# Altium PCB 电解模块主控板_V1.1_ZM_20210918.PcbDoc (part 2 of 2)
Units mil, origin at the board's own origin, x right, y up, seen from the top; angles counter-clockwise.
Board outline 5915.54 x 3947.37 mil, 2 copper layers (Top Layer, Bottom Layer); 205 components, 153 nets, 686 pads, 1093 vias.
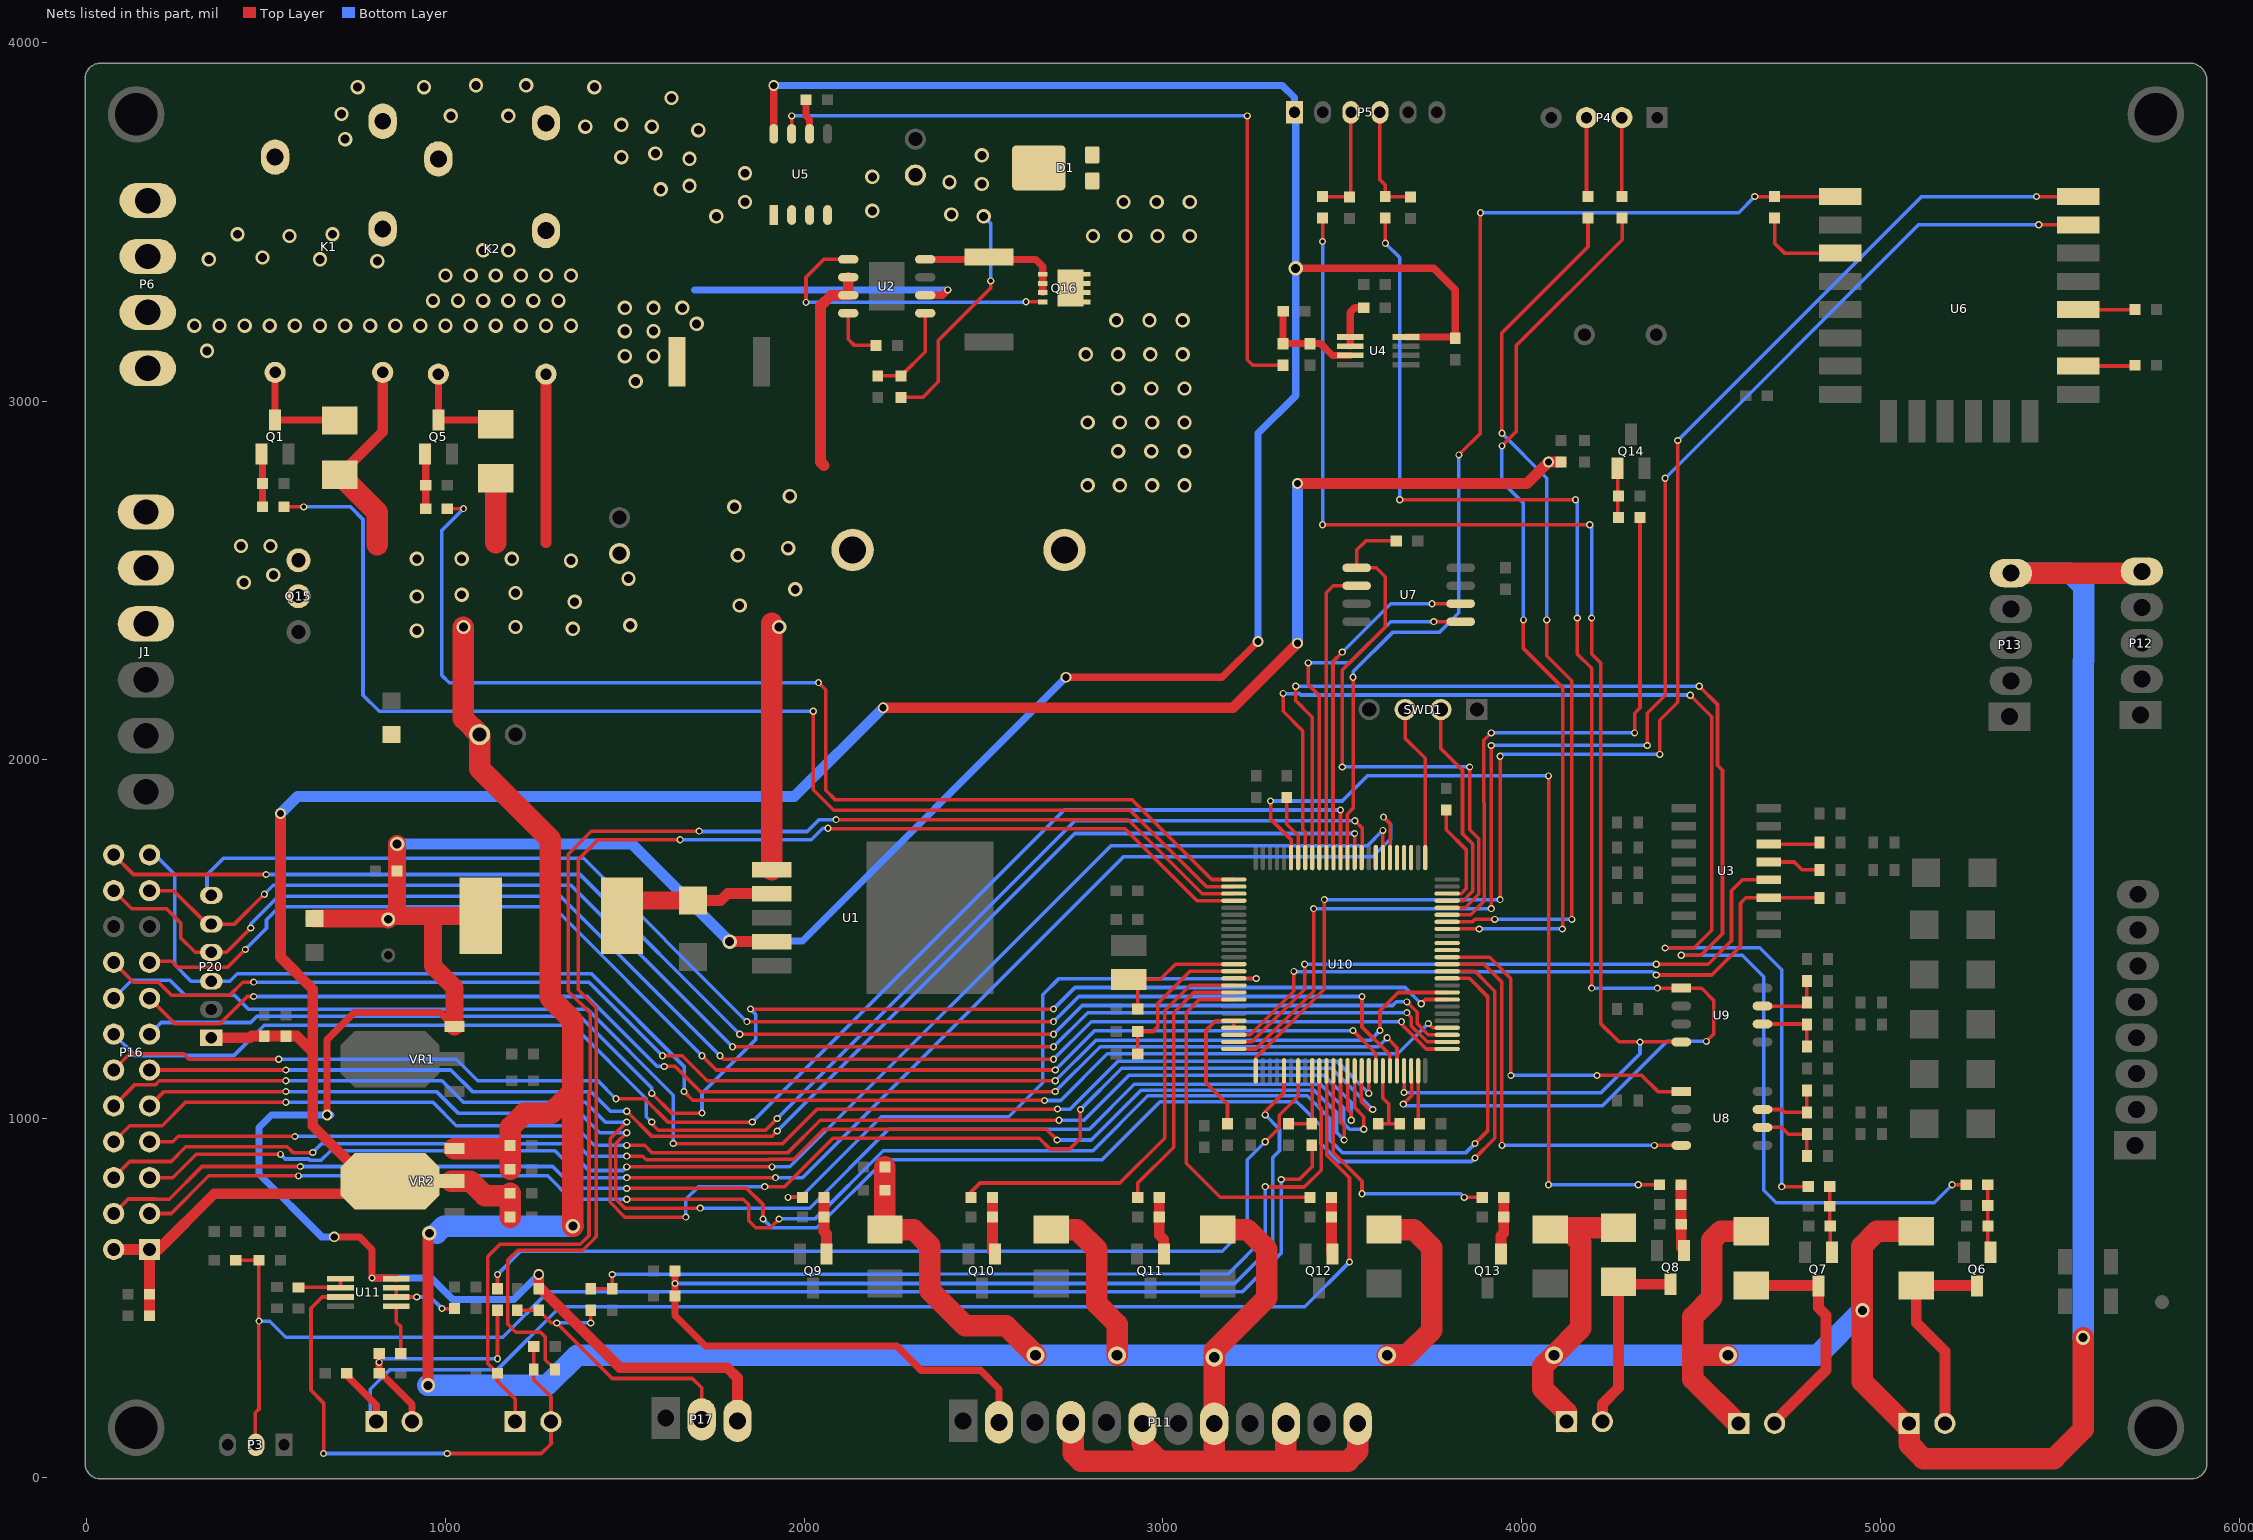
[diagram p2: the nets of this part, all layers, seen from the top]

## Via types
v1: diameter 40, hole 25, Top Layer to Bottom Layer, tented both sides, 833 vias
v2: diameter 20, hole 12, Top Layer to Bottom Layer, tented both sides, 240 vias
v3: diameter 30, hole 20, Top Layer to Bottom Layer, tented both sides, 14 vias
v4: diameter 50, hole 30, Top Layer to Bottom Layer, tented both sides, 6 vias

## Nets (pads, with @x,y where several pads share a name; then routed paths per layer and width w, separated by ;. In a path a pad name is that pad's centre, name@x,y a point inside that pad or via, vN(x,y) a via of type N, cw(c..) or ccw(c..) an arc to the next point about the centre after c; other vN are vias at no path point) (continued)
NetC37_2: C37.2 R7.2 U10.44 | length 214.8
  Top Layer w10: R7.2@3600,985 3630,985 ; U10.44@3613.11,1132.76 3613.11,1056.89 3630,1040 3630,985 ; C37.2@3660,985 3630,985
NetC38_2: C38.2 R8.2 U10.34 | length 213.3
  Top Layer w10: C38.2@3350,985 R8.2@3415,985 3416.26,986.26 U10.34@3416.26,1132.76
NetC39_2: C39.2 U10.49 | length 149.2
  Top Layer w10: U10.49@3711.54,1132.76 3711.54,988.46 C39.2@3715,985
NetC40_2: C40.2 R78.1 U10.14 | length 437.8
  Top Layer w10: R78.1@2930,1180 C40.2@2930,1242.5 2972.5,1242.5 2985,1255 2985,1320 3075.31,1410.32 U10.14@3197.76,1410.32
NetC42_1: C42.1 U5.6 | length 99.1
  Top Layer w20: C42.1@2005,3840 2005,3795 2015,3785 U5.6@2015,3745
NetC44_1: C44.1 R17.2 R30.1 U4.3 | length 290.8
  Top Layer w20: R17.2@3335,3250 R30.1@3335,3160 C44.1@3410,3160 3440,3160 3472.8,3127.2 U4.3@3522.24,3127.2
NetC45_2: C45.2 U10.73 | length 301
  Top Layer w10: C45.2@3790,1860 3790,1805 3845,1750 3845,1640 3831.85,1626.85 U10.73@3792.24,1626.85
NetC46_2: C46.2 P11.2 R48.1 U10.30 | length 3447.7
  Top Layer w10: v2(3285,1010) 3285,1019.63 3337.52,1072.15 U10.30@3337.52,1132.76
  Top Layer w20: R48.1@1640,575 v2(1640,540) C46.2@1640,505 1640,451 1725,366 2258,366 2282.5,341.5 2291.65,332.35 2326,298 2491,298 2543,246 P11.2@2543,153.06
  Bottom Layer w10: v2(1640,540) 3200,540 3306,646 3306,891 3325,910 3325,970 v2(3285,1010)
NetC50_1: C50.1 U10.13 Y1.1 | length 403.4
  Top Layer w10: C50.1@2930,1305 2930,1362.76 Y1.1@2905,1387.76 2992.76,1387.76 3035,1430 U10.13@3197.76,1430
NetD1_1: D1.1 L2.2 Q16.2
  other v1: 2790,2765 2880,2765 2970,2765 3060,2765 2875,2860 2967.5,2860 3060,2860 2790,2940 2880,2940 2970,2940 3060,2940 2875,3035 2967.5,3035 3060,3035 2785,3130 2875,3130 2965,3130 3055,3130 2870,3225 2962.5,3225 3055,3225 2805,3460 2895,3460 2985,3460 3075,3460 2890,3555 2982.5,3555 3075,3555
NetD3_2: D3.2 L1.1 U1.2 | length 443.8
  Top Layer w30: L1.1@1491.85,1565 L1.1@1534.33,1607.48 ; D3.2@1690,1607.48 1767.48,1607.48 1786.93,1626.93 U1.2@1910,1626.93
  Top Layer w50: L1.1@1534.33,1607.48 D3.2@1690,1607.48
NetD4_1: D4.1 K1.4 Q1.3 | length 313.5
  Top Layer w20: K1.4@525,3080 Q1.3@525,2947.24 703.15,2947.24 D4.1@705,2945.39
NetD5_1: D5.1 K2.4 Q5.3 | length 292.7
  Top Layer w20: K2.4@980,3075 Q5.3@980,2947.24 1128.15,2947.24 D5.1@1140,2935.39
NetD6_1: D6.1 P8.2 Q6.3 | length 588.5
  Top Layer w30: P8.2@5180,150 5180,351 5100,431 D6.1@5100,534.61 5268.15,534.61 Q6.3@5270,532.76
NetD7_1: D7.1 P9.2 Q7.3 | length 719.4
  Top Layer w30: D7.1@4640,534.61 4825.65,534.61 Q7.3@4827.5,532.76 4827.5,472.5 4848.75,451.25 4848.75,420 ; P9.2@4705,150 4705,155 4848.75,298.75 4848.75,420 ; 4848.75,340 4848.75,420
NetD8_1: D8.1 P10.2 Q8.3 | length 556.1
  Top Layer w30: P10.2@4225,155 4225,204 4270,249 D8.1@4270,544.61 4276.85,537.76 Q8.3@4415,537.76
NetJ1_4: J1.4 J1.5 J1.6 Q15.3
  other v1: 438,2494 520,2515 430,2596 512,2596
NetK1_1: K1.1 P6.3 P6.4
  other v1: 810,3390 340,3395 650,3395 490,3400 565,3460 420,3465 685,3465
NetK2_1: K2.1 P6.1 P6.2
  other v1: 335,3140 300,3210 370,3210 440,3210 510,3210 580,3210 650,3210 720,3210 790,3210 860,3210 930,3210 1000,3210 1070,3210 1140,3210 1210,3210 1280,3210 1350,3210 965,3280 1035,3280 1105,3280 1175,3280 1245,3280 1315,3280 1000,3350 1070,3350 1140,3350 1210,3350 1280,3350 1350,3350 1105,3420 1175,3420
NetL3_2: L3.2 U10.21 U10.22 | length 393.7
  Top Layer w10: L3.2@3180,985 3180,1040 3120,1100 3120,1245 3147.52,1272.52 U10.21@3197.76,1272.52 U10.22@3197.76,1252.83
NetP1_1: P1.1 TVS5.2 U10.36 | length 3697.5
  Top Layer w10: U10.36@3455.63,1132.76 3457,1131.39 3457,898 3520,835 v2(3520,600)
  Top Layer w20: TVS5.2@725,290 725,283 807,201 P1.1@807,155
  Bottom Layer w10: P1.1@785,155 790,160 790,245 845,300 1145,300 1320,475 3395,475 v2(3520,600)
NetP1_2: P1.2 R14.2 R16.1 TVS6.2 | length 700.2
  Top Layer w10: v2(1145,330) R14.2@1145,465
  Top Layer w20: R16.1@815,345 v2(815,320) TVS6.2@815,290 820,290 907,203 P1.2@907,155
  Bottom Layer w10: v2(815,320) 825,330 v2(1145,330)
NetP2_1: P2.1 TVS7.2 U10.3 | length 3870.6
  Top Layer w10: P2.1@1194,155 1194,218 1145,267 TVS7.2@1145,290 1118,317 1118,615 1152,649 1376,649 1400,673 1400,1073 1404,1077 1404,1293 1342,1355 1342,1737 1406,1801 v2(1707,1801) ; v2(2089,1833) 2903,1833 3109.15,1626.85 U10.3@3197.76,1626.85
  Bottom Layer w10: v2(1707,1801) 1708,1800 2008,1800 2041,1833 v2(2089,1833)
NetP2_2: P2.2 R23.2 TVS12.2 U11.3 | length 1455.5
  Top Layer w10: v2(660,66) 660,207 625,242 625,471 656.2,502.2 U11.3@707.24,502.2 U11.3@705.04,500 ; v2(1005,66) 1254,66 1267,66 1296,95 1294,97 P2.2@1294,155 1294,223.94 1245.94,272 R23.2@1245.94,300 ; R23.2@1246,300 TVS12.2@1246,364
  Bottom Layer w10: v2(660,66) v2(1005,66)
NetP3_2: P3.2 R6.2 R8.1 TVS2.2 | length 3916.8
  Top Layer w10: TVS2.2@415,605 R6.2@480,605 479,604 479,326.16 480,325.16 480,190 470,180 470,91.26 P3.2@471.26,90 ; v2(3330,830) 3380,830 3416,866 3416,924 R8.1@3415,925
  Bottom Layer w10: v2(480,435) 510,435 555,390 1159.5,390 1287,517.5 3222.5,517.5 3330,625 v2(3330,830)
NetP4_2: P4.2 R11.1 | length 220.3
  Top Layer w10: P4.2@4279.21,3790 4279.21,3570.79 R11.1@4280,3570
NetP4_3: P4.3 R9.1 | length 221.7
  Top Layer w10: P4.3@4180.79,3790 4180.79,3574.21 R9.1@4185,3570
NetP5_3: P5.3 R10.1 TVS3.2 | length 312.8
  Top Layer w10: R10.1@3445,3570 3519,3570 TVS3.2@3520,3569 3524.04,3573.04 P5.3@3524.04,3804.75
NetP5_4: P5.4 R12.1 TVS4.2 | length 311.5
  Top Layer w10: P5.4@3604.75,3804.75 3604.75,3617.46 3619.21,3603 3619.21,3570.79 R12.1@3620,3570 3689,3570 TVS4.2@3690,3569
NetP16_3: P16.3 U10.61 | length 4646.5
  Top Layer w10: P16.3@175,735 235,735 340,840 v2(590,840) ; v2(1505,775) 1830,775 1845,760 1845,715 1865,695 1905,695 v2(1930,720) ; U10.61@3792.24,1390.63 3854.37,1390.63 3905,1340 3905,965 v2(3870,930)
  Bottom Layer w10: v2(590,840) 1285,840 1350,775 v2(1505,775) ; v2(1930,720) 2030,720 2220,910 2805,910 2958,1063 3402,1063 3465,1000 3465,940 3500,905 3845,905 v2(3870,930)
NetP16_4: P16.4 U10.62 | length 4835.8
  Top Layer w10: P16.4@75,735 115.53,775.53 191.79,775.53 192.31,775 230,775 321,866 v2(595.4,866) ; v2(1505,805) 1840,805 1885,760 v2(1885,720) ; U10.62@3792.24,1410.32 3869.69,1410.32 3925,1355 3925,945 v2(3870,890)
  Bottom Layer w10: v2(595.4,866) 1299,866 1360,805 v2(1505,805) ; v2(1885,720) 1910,695 2035,695 2225,885 2830,885 2992,1047 3373,1047 3391,1029 3440,980 3440,930 3490,880 3860,880 v2(3870,890)
NetP16_5: P16.5 U10.81 | length 4121.3
  Top Layer w10: P16.5@175,835 240,835 305,900 v2(540,900) ; v2(1505,835) v2(1920,835) ; v2(3615,1840) 3634.11,1820.89 3634.11,1728.56 U10.81@3632.8,1727.24
  Bottom Layer w10: v2(540,900) 553,887 618.3,887 621.3,884 654,884 680,910 1305,910 1380,835 v2(1505,835) ; v2@1915,835 v2(1920,835) 1995,835 2890,1730 3585,1730 3635,1780 3635,1820 v2(3615,1840)
NetP16_6: P16.6 U10.82 | length 4085.4
  Top Layer w10: P16.6@75,835 120,880 235,880 276,921 559,921 575,905 v2(630,905) ; v2(1505,865) v2(1910,865) ; U10.82@3613.11,1727.24 v2(3613.11,1803.11)
  Bottom Layer w10: v2(630,905) 655,930 1325,930 1400,855 1495,855 v2(1505,865) ; v2@1915,865 1960,865 2855,1760 3570,1760 v2(3613.11,1803.11)
NetP16_7: P16.7 U10.38 | length 3755
  Top Layer w10: P16.7@175,935 240,935 255,950 v2(580,950) ; v2(1505,895) 1550,895 1560,885 1900.3,885 1901.3,886 1971,886 2055,970 2675,970 v2(2705,940) ; U10.38@3495,1132.76 3495,990 3505,980 v2(3505,940)
  Bottom Layer w10: v2(580,950) 1345,950 1400,895 v2(1505,895) ; v2(2705,940) 2800,940 2939,1079 3421,1079 3485,1015 3485,960 v2(3505,940)
NetP16_8: P16.8 U10.39 | length 3865.7
  Top Layer w10: P16.8@75,935 120,980 210,980 275,1045 v2(555,1045) ; v2(1505,925) 1555,925 1575,905 1955,905 2045,995 v2(2710,995) ; U10.39@3514.69,1132.76 3514.69,1025.32 3525,1015 v2(3525,995)
  Bottom Layer w10: v2(555,1045) 965,1045 1030,980 1360,980 1415,925 v2(1505,925) ; v2(2710,995) 2780,995 2905,1120 3450,1120 3525,1045 v2(3525,995)
NetP16_9: P16.9 U10.40 | length 4080.5
  Top Layer w10: P16.9@175,1035 215,1075 v2(555,1075) ; v2(1505,960) 1475,930 1475,775.3 1500.3,750 v2(1710,750) ; U10.40@3534.37,1132.76 3534.37,1030.63 3560,1005 v2(3560,970)
  Bottom Layer w10: v2(555,1075) 975,1075 1035,1015 1375,1015 1430,960 v2(1505,960) ; v2(1710,750) 2015,750 2235,970 2795,970 2920,1095 3439,1095 3504,1030 3504,986.3 3520.3,970 v2(3560,970)
NetP16_10: P16.10 U10.41 | length 4340.7
  Top Layer w10: P16.10@75,1035 134.47,1094.47 191.79,1094.47 202.31,1105 v2(555,1105) ; v2(1505,990) 1459,944 1459,766 1500,725 v2(1670,725) ; v2(1890,810) 1945,810 2080,945 2655,945 2685,915 2740,915 2770,945 v2(2770,1025) ; U10.41@3554.06,1132.76 3552.74,1131.44 3552.74,1047.26 3575,1025 v2(3585,1025)
  Bottom Layer w10: v2(555,1105) 990,1105 1050,1045 1390,1045 1445,990 v2(1505,990) ; v2(1670,725) 1670,775 1705,810 v2(1890,810) ; v2(2770,1025) 2885,1140 3470,1140 v2(3585,1025)
NetP16_11: P16.11 U10.86 | length 3852
  Top Layer w10: P16.11@175,1135 v2(555,1135) ; v2(1505,1020) 1574,951 1911,951 v2(1925,965) ; U10.86@3534.37,1727.24 v2(3534.37,1794.37)
  Bottom Layer w10: v2(555,1135) 1015,1135 1075,1075 1405,1075 1460,1020 v2(1505,1020) ; v2(1925,965) 2754.37,1794.37 v2(3534.37,1794.37)
NetP16_12: P16.12 U10.88 | length 4010.5
  Top Layer w10: P16.12@75,1135 120,1180 270,1180 285,1165 v2(535,1165) ; v2(1475,1055) 1555,1055 1620,990 v2(1855,990) ; U10.88@3495,1727.24 v2(3495,1860)
  Bottom Layer w10: v2(535,1165) 1030,1165 1090,1105 1425,1105 v2(1475,1055) ; v2(1855,990) 2725,1860 v2(3495,1860)
NetP16_13: P16.13 U10.58 | length 4030.2
  Top Layer w10: v2(1575,1070) 1630,1015 v2(1715,1015) ; v2(1850,1305) v2(2695,1305) ; v2(3720,1320) 3731.57,1331.57 U10.58@3792.24,1331.57
  Bottom Layer w10: P16.13@175,1235 207.5,1267.5 457.03,1267.5 474,1284.47 524.47,1284.47 525,1285 1375,1285 1575,1085 v2(1575,1070) ; v2(1715,1015) 1715,1070 1865,1220 1865,1290 v2(1850,1305) ; v2(2695,1305) 2755,1365 3675,1365 v2(3720,1320)
NetP16_14: P16.14 U10.85 | length 4142
  Top Layer w10: v2(1575,990) 1575,985 1593,967 1892,967 v2(1925,1000) ; v2(3535,1830) 3555.37,1809.63 3555.37,1728.56 U10.85@3554.06,1727.24
  Bottom Layer w10: P16.14@75,1235 134.47,1175.53 410.53,1175.53 494.47,1259.47 1355.53,1259.47 1560,1055 1560,1005 v2(1575,990) ; v2(1925,1000) 2755,1830 v2(3535,1830)
NetP16_15: P16.15 U10.46 | length 3786.1
  Top Layer w10: P16.15@175,1335 245.63,1264.37 371.37,1264.37 447,1340 v2(465,1340) ; v2(1610,1145) 1640,1145 1710,1075 v2(2700,1075) ; v2(3625,1225) 3652.48,1197.52 U10.46@3652.48,1132.76
  Bottom Layer w10: v2(465,1340) 1395,1340 1590,1145 v2(1610,1145) ; v2(2700,1075) 2825,1200 3600,1200 v2(3625,1225)
NetP16_16: P16.16 U10.42 | length 3982.3
  Top Layer w10: v2(1635,930) 1940,930 2036.26,1026.26 v2(2706.26,1026.26) ; v2(3573.74,1070) U10.42@3573.74,1132.76
  Bottom Layer w10: P16.16@75,1335 125,1385 232.17,1385 274.17,1343 412,1343 450,1305 1395,1305 1635,1065 v2(1635,930) ; v2(2706.26,1026.26) 2741.26,1026.26 2875,1160 3483.74,1160 v2(3573.74,1070)
NetP16_17: P16.17 U10.43 | length 3819.1
  Top Layer w10: P16.17@175,1435 178,1438 237,1438 253,1422 393,1422 v2(442,1471) ; v2(1715,1175) 1755,1135 v2(2700,1135) ; v2(3530,1245) 3593.43,1181.57 U10.43@3593.43,1132.76
  Bottom Layer w10: v2(442,1471) 501,1530 501,1554 537,1590 1300,1590 v2(1715,1175) ; v2(2700,1135) 2810,1245 v2(3530,1245)
NetP16_18: P16.18 U10.59 | length 4018.8
  Top Layer w10: P16.18@75,1435 130,1380 200,1380 237,1343 398,1343 435,1380 v2(465,1380) ; v2(1605,1175) 1660,1175 1730,1105 v2(2700,1105) ; v2(3605,1245) 3605,1300 3656.26,1351.26 U10.59@3792.24,1351.26
  Bottom Layer w10: v2(465,1380) 1400,1380 v2(1605,1175) ; v2(2700,1105) 2812.5,1217.5 3577.5,1217.5 v2(3605,1245)
NetP16_21: P16.21 P20.5 U10.52 | length 3974.4
  Top Layer w10: P16.21@175,1635 241.93,1635 335,1541.93 411.93,1541.93 v2(495,1625) ; v2(1800,1200) v2(2695,1200) ; v2(3680,1295) 3692.5,1282.5 3692.5,1258.02 3737.06,1213.46 U10.52@3792.24,1213.46
  Bottom Layer w10: v2(495,1625) 520,1650 1350,1650 v2(1800,1200) ; v2(2695,1200) 2790,1295 v2(3680,1295)
NetP16_22: P16.22 P20.4 U10.51 | length 4151.2
  Top Layer w10: P16.22@75,1635 125,1585 222.17,1585 262.17,1545 262.17,1503 301.98,1463.19 P20.4@335,1463.19 ; P20.4@328.81,1463.19 P20.4@335,1463.19 ; v2(457,1531) 389.19,1463.19 P20.4@335,1463.19 ; v2(1765,1175) 1775,1165 v2(2695,1165) ; v2@3665,1262.89 3734.12,1193.78 U10.51@3792.24,1193.78
  Bottom Layer w10: v2(457,1531) 457,1542 535,1620 1320,1620 v2(1765,1175) ; v2(2695,1165) 2800,1270 v2(3665,1270)
NetP16_23: P16.23 P20.3 U10.54 | length 4199.2
  Top Layer w10: v2(1665,1075) 1689,1051 v2@2669,1051 ; v2(3740,1265) 3752.17,1252.83 U10.54@3792.24,1252.83
  Bottom Layer w10: P16.23@175,1735 190,1735 245,1680 245,1428.17 290.68,1382.48 335,1382.48 398.48,1382.48 419,1403 1407,1403 1665,1145 v2(1665,1075) ; v2(2670,1050) 2715,1050 2845,1180 3655,1180 v2(3740,1265)
NetP16_24: P16.24 U10.53 | length 4018.3
  Top Layer w10: P16.24@75,1735 130,1680 186,1680 v2(500,1680) ; v2(1820,1235) v2(2695,1235) ; v2(3680,1325) 3708.5,1296.5 3708.5,1264.65 3740,1233.15 U10.53@3792.24,1233.15
  Bottom Layer w10: v2(500,1680) 1375,1680 v2(1820,1235) ; v2(2695,1235) 2775,1315 3640,1315 3650,1325 v2(3680,1325)
NetP17_2: P17.2 R19.1 R50.2 TVS11.2 | length 821.4
  Top Layer w10: TVS11.2@1200,465 R50.2@1260,465 1295,430 v2(1310,430) 1465,275 1688,275 1714,249 P17.2@1714,161.06 ; v2(1405,430) R19.1@1405,465
  Bottom Layer w10: v2(1310,430) v2(1405,430)
NetP20_6: P20.6 U10.45 | length 3753.1
  Top Layer w10: v2(1840,1270) v2(2695,1270) ; v2(3555,1340) 3555,1255 3632.8,1177.2 U10.45@3632.8,1132.76
  Bottom Layer w10: P20.6@335,1621.86 335,1679 381,1725 1385,1725 v2(1840,1270) ; v2(2695,1270) 2765,1340 v2(3555,1340)
NetQ1_1: Q1.1 R20.2 R21.2 | length 148.8
  Top Layer w20: Q1.1@487.6,2852.76 490,2850.35 R21.2@490,2770 R20.2@490,2705
NetQ5_1: Q5.1 R27.2 R28.2 | length 153.8
  Top Layer w20: Q5.1@942.6,2852.76 945,2850.35 R28.2@945,2765 R27.2@945,2700
NetQ6_1: Q6.1 R31.1 R34.1 TVS8.2 | length 191.2
  Top Layer w10: R31.1@5299,815 R34.1@5299,757.5 5299,635.65 Q6.1@5307.4,627.24
NetQ7_1: Q7.1 R32.1 R35.1 TVS9.2 | length 185.2
  Top Layer w10: R32.1@4859,810 R35.1@4859,755 4859,701 TVS9.2@4860,700 4860,632.15 Q7.1@4864.9,627.24
NetQ8_1: Q8.1 R33.1 R36.1 TVS10.2 | length 186.2
  Top Layer w30: R33.1@4444,815 R36.1@4444,760 4444,706 TVS10.2@4445,705 4445,639.65 Q8.1@4452.4,632.24
NetQ9_1: Q9.1 R37.1 R42.1 | length 160.8
  Top Layer w30: R37.1@2055,780 R42.1@2055,725 2055,685 2062.4,677.6 Q9.1@2062.4,622.24
NetQ10_1: Q10.1 R38.1 R43.1 | length 160.8
  Top Layer w30: R38.1@2525,780 R43.1@2525,725 2525,629.65 Q10.1@2532.4,622.24
NetQ11_1: Q11.1 R39.1 R44.1 | length 162.9
  Top Layer w30: R39.1@2990,780 R44.1@2990,725 2990,675 3002.4,662.6 Q11.1@3002.4,622.24
NetQ12_1: Q12.1 R40.1 R45.1 | length 158.8
  Top Layer w30: R40.1@3470,780 R45.1@3470,725 3470,624.65 Q12.1@3472.4,622.24
NetQ13_1: Q13.1 R41.1 R46.1 | length 160.9
  Top Layer w30: Q13.1@3942.4,622.24 3942.4,672.4 3950,680 R46.1@3950,725 R41.1@3950,780
NetQ14_1: Q14.1 R57.2 R59.1 | length 138.8
  Top Layer w10: Q14.1@4267.6,2812.76 4267.6,2677.4 R57.2@4270,2675
NetQ16_1: Q16.1 U2.1 | length 869.1
  Top Layer w10: v2(2005,3275) 2005,3345 2055,3395 U2.1@2122.72,3395 ; v2(2618.39,3276.61) Q16.1@2664.96,3276.61
  Bottom Layer w10: v2(2005,3275) 2616.77,3275 v2(2618.39,3276.61)
NetQ16_3: Q16.3 R4.1 U2.8 | length 408.8
  Top Layer w20: U2.8@2337.28,3395 2645,3395 2664.96,3375.04 Q16.3@2664.96,3353.39 Q16.3@2664.96,3327.8 Q16.3@2664.96,3302.2
NetR2_2: R2.2 R13.1 U2.5 | length 267.9
  Top Layer w10: R13.1@2205,3070 R2.2@2270,3070 2337.28,3137.28 U2.5@2337.28,3245
NetR3_1: R3.1 U2.4 | length 157.2
  Top Layer w10: U2.4@2122.72,3245 2122.72,3172.28 2140,3155 R3.1@2200,3155
NetR9_2: R9.2 U10.69 | length 2485.8
  Top Layer w10: U10.69@3792.24,1548.11 3863.11,1548.11 3870,1555 v2(3925,1555) ; v2(3945,2910) 3945,3190 4185,3430 R9.2@4185,3510 ; v2(4070,2390) 4070,2290 4140,2220 v2(4140,1555)
  Bottom Layer w10: v2(3925,1555) v2(4140,1555) ; v2(3945,2910) 4070,2785 v2(4070,2390)
NetR11_2: R11.2 U10.68 | length 2512.6
  Top Layer w10: U10.68@3792.24,1528.43 v2(3881.57,1528.43) ; v2(3945,2875) 3985,2915 3985,3155 4280,3450 R11.2@4280,3510 ; v2(4005,2390) 4005,2310 4115,2200 4115,1530 v2(4113.43,1528.43)
  Bottom Layer w10: v2(3881.57,1528.43) v2(4113.43,1528.43) ; v2(3945,2875) 3945,2775 4005,2715 v2(4005,2390)
NetR14_1: R14.1 U10.32 | length 2677.4
  Top Layer w10: R14.1@1145,525 v2(1145,565) ; v2(3285,935) 3324,974 3324,1009 3376.89,1061.89 U10.32@3376.89,1132.76
  Bottom Layer w10: v2(1145,565) 1210,630 3165,630 3235,700 3235,885 v2(3285,935)
NetR16_2: R16.2 U11.5 | length 136.7
  Top Layer w10: U11.5@862.76,476.61 862.76,432.24 875,420 R16.2@875,345
NetR18_2: R18.2 U11.6 U11.7 | length 201.2
  Top Layer w10: U11.7@862.76,527.8 U11.6@862.76,502.2 v2(920,502.2) ; v2(990,470) R18.2@1025,470
  Bottom Layer w10: v2(920,502.2) 957.8,502.2 v2(990,470)
NetR19_2: R19.2 R22.2 U10.35 | length 2552.2
  Top Layer w10: R19.2@1405,525 R22.2@1465,525 v2(1465,565) ; v2(3285,810) 3286,809 3394,809 3441,856 3441,1029 3435.94,1034.06 U10.35@3435.94,1132.76
  Bottom Layer w10: v2(1465,565) 3182.5,567.5 3285,670 v2@3285,805
NetR20_1: R20.1 U10.2 | length 3501.5
  Top Layer w10: R20.1@550,2705 v2(605,2705) ; v2(2025,2135) 2025,1916 2082,1859 2908,1859 3120.46,1646.54 U10.2@3197.76,1646.54
  Bottom Layer w10: v2(605,2705) 735,2705 770,2670 770,2180 815,2135 v2(2025,2135)
NetR23_1: R23.1 U10.4 | length 3693.1
  Top Layer w10: R23.1@1305,300 1278,327 1278,391 1265,404 1196,404 1174,426 1174,606 1201,633 1382.63,633 1416,666.37 1416,667 1420,671 1420,1309 1370,1359 1370,1722 1425,1777 v2(1654,1777) ; v2(2066,1809) 2067,1808 2894,1808 3094.83,1607.17 U10.4@3197.76,1607.17
  Bottom Layer w10: v2(1654,1777) 2020,1777 2052,1809 v2(2066,1809)
NetR24_2: R24.2 U11.1 U11.2 | length 143.4
  Top Layer w10: R24.2@590,529.06 705.98,529.06 U11.2@707.24,527.8 U11.1@707.24,553.39
NetR27_1: R27.1 U10.1 | length 3142.2
  Top Layer w10: R27.1@1005,2700 v2(1050,2700) ; v2(2040,2215) 2060,2195 2060,1915 2087,1888 2914,1888 3135.78,1666.22 U10.1@3197.76,1666.22
  Bottom Layer w10: v2(1050,2700) 990,2640 990,2235 1010,2215 v2(2040,2215)
NetR29_2: R29.2 U4.1 U4.2 | length 137.1
  Top Layer w20: U4.2@3522.24,3153.2 U4.1@3522.24,3178.39 3522.24,3247.24 3535,3260 R29.2@3560,3260
NetR30_2: R30.2 U5.7 | length 2106.2
  Top Layer w10: U5.7@1965,3745 v2(1965,3795) ; v2(3235,3795) 3235,3115 3250,3100 R30.2@3335,3100
  Bottom Layer w10: v2(1965,3795) v2(3235,3795)
NetR31_2: R31.2 U10.92 | length 3927.8
  Top Layer w10: v2(3370,2205) 3370,2165 3416.26,2118.74 U10.92@3416.26,1727.24 ; v2(4445,1455) 4500,1455 4560,1515 4560,1971 4546,1985 4546,2154 v2(4495,2205) ; v2(5200,815) R31.2@5239,815
  Bottom Layer w10: v2(3370,2205) v2(4495,2205) ; v2(4445,1455) 4615,1455 4675,1395 4675,800 4710,765 5150,765 v2(5200,815)
NetR32_2: R32.2 U10.93 | length 3481.4
  Top Layer w10: v2(3335,2185) 3335,2135 3390,2080 3390,1805 3396.57,1798.43 U10.93@3396.57,1727.24 ; v2(4400,1475) 4401,1476 4481,1476 4530,1525 4530,2120 v2(4470,2180) ; v2(4725,810) R32.2@4799,810
  Bottom Layer w10: v2(3335,2185) 3336,2184 3378.7,2184 3379.7,2185 3384.17,2180.53 4469.47,2180.53 v2(4470,2180) ; v2(4400,1475) 4401,1476 4664,1476 4725,1415 v2(4725,810)
NetR33_2: R33.2 U10.95 | length 2434.4
  Top Layer w10: v2(3300,1885) 3300,1835 3357.2,1777.8 U10.95@3357.2,1727.24 ; v2(4075,815) v2(4075,1955) ; v2(4325,815) R33.2@4384,815
  Bottom Layer w10: v2(3300,1885) 3500,1885 3570,1955 v2(4075,1955) ; v2(4075,815) v2(4325,815)
NetR37_2: R37.2 U10.15 | length 1803.4
  Top Layer w10: v2(1955,780) R37.2@1995,780 ; U10.15@3197.76,1390.63 v2@3260,1390.63
  Bottom Layer w10: v2(1955,780) 1990,780 2215,1005 2570,1005 2665,1100 2665,1345 2710,1390 v2(3260,1390)
NetR38_2: R38.2 U10.16 | length 1194.3
  Top Layer w10: R38.2@2465,780 2465,795 2490,820 2880,820 3005,945 3005,1300 3075.94,1370.94 U10.16@3197.76,1370.94
NetR39_2: R39.2 U10.17 | length 747.5
  Top Layer w10: R39.2@2930,780 2930,820 3030,920 3030,1295 3086.26,1351.26 U10.17@3197.76,1351.26
NetR40_2: R40.2 U10.18 | length 952.3
  Top Layer w10: U10.18@3197.76,1331.57 3101.57,1331.57 3065,1295 3065,875 3160,780 R40.2@3410,780
NetR41_2: R41.2 U10.37 | length 714.9
  Top Layer w10: U10.37@3475.31,1132.76 3475.31,904.68 3555,825 v2(3555,790) ; v2(3840,780) R41.2@3890,780
  Bottom Layer w10: v2(3555,790) 3830,790 v2(3840,780)
NetR47_1: R47.1 U3.14 | length 143.5
  Top Layer w10: U3.14@4688.61,1765 4825,1765 R47.1@4830,1770
NetR53_1: R53.1 U6.1 U10.87 | length 3050
  Top Layer w10: U10.87@3514.69,1727.24 3513.37,1728.56 3513.37,1848.37 3530,1865 v2(3530,2230) ; v2(3825,2850) 3885,2910 v2(3885,3525) ; v2(4650,3570) R53.1@4705,3570 U6.1@4888,3570
  Bottom Layer w10: v2(3530,2230) 3530,2245 3640,2355 3770,2355 3825,2410 v2(3825,2850) ; v2(3885,3525) 4605,3525 v2(4650,3570)
NetR53_2: R53.2 U6.3 | length 264.4
  Top Layer w10: R53.2@4705,3510 4705,3440 4732.48,3412.52 U6.3@4888,3412.52
NetR54_2: R54.2 U6.18 | length 158
  Top Layer w10: U6.18@5552,3255.04 R54.2@5710,3255 R54.2@5710,3255
NetR55_1: R55.1 U6.16 | length 159
  Top Layer w10: U6.16@5552,3097.56 5707.56,3097.56 R55.1@5710,3100
NetR57_1: R57.1 U10.70 | length 1604.3
  Top Layer w10: U10.70@3792.24,1567.8 3857.8,1567.8 3896,1606 3896,1880 3894,1882 3894,2054 v2(3915,2075) ; v2(4315,2075) 4315,2130 4330,2145 R57.1@4330,2675
  Bottom Layer w10: v2(3915,2075) v2(4315,2075)
NetR60_1: R60.1 U3.13 | length 150.4
  Top Layer w10: U3.13@4688.61,1715 4760,1715 4781.67,1693.33 R60.1@4830,1693.33
NetR61_1: R61.1 R69.1 U8.6 | length 192.6
  Top Layer w10: U8.6@4671.38,975 4725,975 4743.89,956.11 R69.1@4795,956.11 R61.1@4795,895
NetR62_1: R62.1 R70.1 U8.7 | length 188
  Top Layer w10: U8.7@4671.38,1025 4725,1025 4732.78,1017.22 R62.1@4795,1017.22 R70.1@4795,1078.33
NetR68_2: R68.2 U7.1 U10.71 | length 1664.1
  Top Layer w10: v2(3500,1980) 3500,2250 3620,2370 3620,2510 3595,2535 U7.1@3540,2535 3540,2585 3565,2610 R68.2@3650,2610 ; U10.71@3792.24,1587.48 3842.48,1587.48 3880,1625 3880,1780 3855,1805 v2(3855,1980)
  Bottom Layer w10: v2(3500,1980) v2(3855,1980)
NetR73_1: R73.1 R75.1 U9.6 | length 185.4
  Top Layer w10: U9.6@4671.38,1263.34 4793.32,1263.34 R75.1@4795,1261.67 R73.1@4795,1200.56
NetR74_1: R74.1 R76.1 U9.7 | length 188.6
  Top Layer w10: U9.7@4671.38,1313.34 4785.57,1313.34 R74.1@4795,1322.78 R76.1@4795,1383.89
NetR79_2: R79.2 U10.94 | length 181
  Top Layer w10: R79.2@3345,1895 3345,1820 3376.89,1788.11 U10.94@3376.89,1727.24
NetU6_21: U6.21 U10.25 | length 4114.3
  Top Layer w10: U10.25@3197.76,1193.78 3258.78,1193.78 3420,1355 v2(3420,1585) ; v2(3915,1585) v2(3915,2040) ; v2(4350,2040) 4350,2130 4400,2180 v2(4400,2785) ; v2(5441.26,3491.26) U6.21@5552,3491.26
  Bottom Layer w10: v2(3420,1585) v2(3915,1585) ; v2(3915,2040) v2(4350,2040) ; v2(4400,2785) 5106.26,3491.26 v2(5441.26,3491.26)
NetU6_22: U6.22 U10.26 | length 4188.3
  Top Layer w10: U10.26@3258.78,1132.76 3258.78,1169.45 3284.52,1195.19 3285.19,1195.19 3450,1360 v2(3450,1610) ; v2(3940,1610) v2(3940,2010) ; v2(4385,2015) 4385,2110 4435,2160 v2(4435,2890) ; v2(5435,3570) U6.22@5552,3570
  Bottom Layer w10: v2(3450,1610) v2(3940,1610) ; v2(3940,2010) 3945,2015 v2(4385,2015) ; v2(4435,2890) 5115,3570 v2(5435,3570)
NetU7_2: U7.2 U10.90 | length 830.8
  Top Layer w10: U10.90@3455.63,1727.24 3455.63,2465.63 3475,2485 U7.2@3540,2485
NetU7_5: U7.5 U10.91 | length 1028.2
  Top Layer w10: v2(3405,2270) 3405,2210 3435.94,2179.06 U10.91@3435.94,1727.24 ; v2(3755,2385) U7.5@3830,2385
  Bottom Layer w10: v2(3405,2270) 3520,2270 3635,2385 v2(3755,2385)
NetU7_6: U7.6 U10.89 | length 970
  Top Layer w10: U10.89@3475.31,1727.24 3474,1728.56 3474,2274 v2(3500,2300) ; v2(3750,2435) U7.6@3830,2435
  Bottom Layer w10: v2(3500,2300) 3635,2435 v2(3750,2435)
NetU10_65: U10.65
NetU10_66: U10.66
NetU10_78: U10.78
NetU10_79: U10.79
NetU10_80: U10.80
NetU10_83: U10.83
RCS: K1.3 K2.3 R1.1 U2.6 | length 773.9
  Top Layer w20: U2.6@2337.28,3295 2385,3295 v2(2400,3310)
  Bottom Layer w20: 1695,3310 v2(2400,3310)
  other v1: 1530,3055 1500,3125 1580,3125 1500,3195 1580,3195 1700,3215 1500,3260 1580,3260 1660,3260
RXD1_485: U8.1 U10.64 | length 966.1
  Top Layer w10: U10.64@3792.24,1449.68 3792.93,1449 3911,1449 3970,1390 v2(3970,1120) ; v2(4210,1120) 4335,1120 4380,1075 U8.1@4445,1075
  Bottom Layer w10: v2(3970,1120) v2(4210,1120)
RXD2_485: R12.2 U9.1 U10.48 | length 4173.5
  Top Layer w10: v2(3620,3440) R12.2@3620,3510 ; v2(3660,2725) v2(4150,2725) ; v2(3670,1040) 3687.5,1057.5 3687.5,1057.8 3693.17,1063.47 3693.17,1131.44 U10.48@3691.85,1132.76 ; v2(4155,2395) 4155,2295 4195,2255 v2(4195,1363.34) ; v2(4378.34,1363.34) U9.1@4445,1363.34 4501.66,1363.34 4535,1330 4535,1235 v2(4515,1215)
  Bottom Layer w10: v2(3620,3440) 3660,3400 v2(3660,2725) ; v2(3670,1040) 3675,1035 4225,1035 4405,1215 v2(4515,1215) ; v2(4150,2725) 4155,2720 v2(4155,2395) ; v2(4195,1363.34) v2(4378.34,1363.34)
RXD_233: U3.12 U10.24 | length 1805.9
  Top Layer w10: U10.24@3197.76,1213.46 3248.46,1213.46 3395,1360 v2(3395,1430) ; v2(4375,1430) 4520,1430 4585,1495 4585,1635 4615,1665 U3.12@4688.61,1665
  Bottom Layer w10: v2(3395,1430) v2(4375,1430) v2@4380,1430
SWCLK: SWD1.3 U10.76 | length 436
  Top Layer w10: SWD1.3@3675,2140 3675,2060 3731.22,2003.78 U10.76@3731.22,1727.24
SWDIO: SWD1.2 U10.72 | length 625.7
  Top Layer w10: SWD1.2@3775,2140 3775,2030.3 3835,1970.3 3835,1794 3864,1765 3864,1634 3837.17,1607.17 U10.72@3792.24,1607.17
TXD1_485: U8.4 U10.63 | length 1128.5
  Top Layer w10: U10.63@3792.24,1430 3895,1430 3945,1380 v2(3945,925) ; v2(4370,925) U8.4@4445,925
  Bottom Layer w10: v2(3945,925) v2(4370,925)
TXD2_485: R10.2 U9.4 U10.47 | length 4045.3
  Top Layer w10: v2(3445,2655) v2(4190,2655) ; v2(3445,3445) R10.2@3445,3510 ; v2(3672.17,1072.17) U10.47@3672.17,1132.76 ; v2(4195,2395) 4195,2295 4220,2270 4220,1265 4271.66,1213.34 v2(4330,1213.34) U9.4@4445,1213.34
  Bottom Layer w10: v2(3445,2655) v2(3445,3445) ; v2(3672.17,1072.17) 4222.17,1072.17 4330,1180 v2(4330,1213.34) ; v2(4190,2655) 4195,2650 v2(4195,2395)
TXD_232: R15.2 U3.11 U10.23 | length 1901.2
  Top Layer w10: U10.23@3197.76,1233.15 3243.15,1233.15 3365,1355 v2(3365,1410) ; v2(4375,1400) 4530,1400 4610,1480 4610,1600 4625,1615 U3.11@4688.61,1615 R15.2@4830,1615
  Bottom Layer w10: v2(3365,1410) 3366,1409 4366,1409 v2(4375,1400)
V5.0: C14.2 C15.2 C16.2 C17.2 C19.2 C20.2 P16.1 P16.2 P20.1 R56.2 VR2.2 VR2.4 | length 7022.7
  Top Layer w30: P16.2@75,635 P16.1@175,635 ; C15.2@175,450 C14.2@175,510 P16.1@175,635 ; P20.1@335,1225 455,1225 460,1230 525,1230 585,1230 630,1185 ; v3(540,1850) 540,1450 630,1360 630,1185 ; v3(2220,2145) 3195,2145 v3(3375,2325) ; v3(3375,2770) 4015,2770 v3(4075,2830) R56.2@4110,2830 ; P16.1@175,635 200,635 355,790 810,790 VR2.4@845,825 785,825 630,980 630,1185
  Top Layer w60: VR2.2@1016.06,825.55 1069.45,825.55 1110,785 1173.33,785 C20.2@1180,791.67 C19.2@1180,725
  Bottom Layer w30: v3(540,1850) 587.5,1897.5 1972.5,1897.5 v3(2220,2145) ; v3(3375,2325) v3(3375,2770)
VDD5V: C2.1 C4.2 C13.2 C47.2 L1.2 P5.1 P17.3 R50.1 U1.4 U4.8 U5.8 U11.8 VR1.3 | length 10732.6
  Top Layer w20: v3(670,1010) 670,1220 745,1295 986.1,1295 VR1.3@1025,1256.1 ; v3(690,670) 760,670 795,635 v2(795,555) 861.14,555 U11.8@862.76,553.39 ; U5.8@1915,3745 v3(1915,3880) ; v3(2730,2230) 3165,2230 v3(3265,2330) ; v1(3370,3370) 3755,3370 3815,3310 C47.2@3815,3175 3811.61,3178.39 U4.8@3677.76,3178.39
  Top Layer w30: v3(1260,565) R50.1@1260,525 1266.16,525 1486.16,305 1785.17,305 1814,276.17 P17.3@1814,157.13 ; v1(1791.93,1493.07) U1.4@1910,1493.07
  Top Layer w50: C4.2@635,1557.24 837.76,1557.24 C2.1@840,1555 C2.1@850,1565 ; v1(865,1765) C13.2@865,1690 865,1580 C2.1@850,1565 ; VR1.3@1025,1256.1 1025,1365 965,1425 965,1565 ; L1.2@1098.15,1565 965,1565 ; C2.1@850,1565 965,1565
  Bottom Layer w20: v3@680,1010 v3(670,1010) 515,1010 480,975 480,845 655,670 v3(690,670) ; v2(795,555) 960,555 1020,495 1190,495 v3(1260,565) ; v1(1791.93,1493.07) 1793.86,1495 1995,1495 v3(2730,2230) ; v3(1915,3880) 3332.36,3880 3366.56,3845.8 P5.1@3366.56,3804.75 3370,3801.31 v1(3370,3370) 3370,3015 3265,2910 v3(3265,2330)
  Bottom Layer w30: v1(865,1765) 1520,1765 v1(1791.93,1493.07)
VDD12V: C1.1 C3.2 C8.2 C9.2 C11.1 C18.2 C21.2 D4.2 D5.2 D6.2 D7.2 D8.2 D9.2 D10.2 D11.2 D12.2 D13.2 K1.5 K2.5 L2.1 P8.1 P9.1 P10.1 P11.4 P11.6 P11.8 P11.10 P11.12 P12.5 P13.5 Q15.2 U1.1 U2.2 U2.3 VR2.3 | length 19455.2
  Top Layer w30: D4.2@705,2794.61 825,2914.61 K1.5@825,3080 ; v1(951,256) v1@951,676 ; 1280,2605 K2.5@1280,3075 ; 2055,2820 2045,2830 2045,3265 2075,3295 U2.3@2122.72,3295 U2.2@2122.72,3345
  Top Layer w60: D4.2@705,2794.61 810,2689.61 810,2600 ; VR2.3@1025,916.1 1171.1,916.1 C18.2@1180,925 ; v1(1050,2370) 1050,2115 C1.1@1095,2070 1095,1975 1292,1778 1292,1336 1355,1273 1355,1075 ; 1140,2605 D5.2@1140,2784.61 ; C21.2@1180,858.33 C18.2@1180,925 ; v1(1355,700) 1355,1075 ; U1.1@1910,1693.86 1910,2380 ; C8.2@2225,865 C9.2@2225,800 D9.2@2225,690.39 2304.61,690.39 2350,645 2350,521 2448.5,422.5 2562.5,422.5 v4(2645,340) ; D10.2@2688.75,690.39 2759.61,690.39 2815,635 2815,484 2872,427 v4(2872,340) ; P11.4@2743,153.06 2750,146.06 2750,66 2771,45 2991,45 ; P11.6@2943,149.13 2943,93 2991,45 ; v4@3143,353 P11.8@3143,149.13 3143,48 3146,45 ; v4(3143.03,334.03) 3143.03,353.03 3290,500 3290,635 3234.61,690.39 D11.2@3152.5,690.39 ; 3343,51 P11.10@3343,149.13 ; P11.12@3543,149.13 3543,72 3516,45 3146,45 ; D12.2@3616.25,690.39 3699.61,690.39 3750,640 3750,410 3680,340 v4(3625,340) ; P10.1@4125,155 4125,180.8 4059,246.8 4059,309 v4(4090,340) 4165.21,415.21 4165.21,654.79 4129.61,690.39 D13.2@4080,690.39 4085,695.39 D8.2@4270,695.39 ; v4(4575,340) 4477.5,340 ; P9.1@4605,150 4601,150 4477.5,273.5 4477.5,340 ; D7.2@4640,685.39 4555.39,685.39 4530,660 4530,500 4477.5,447.5 4477.5,340 ; v1@4948.75,465 4948.75,643.75 4990.39,685.39 D6.2@5100,685.39 ; v1(4950,465) 4950,265.8 5065.8,150 P8.1@5080,150 5080,92 5120,52 5484,52 5565,133 v1(5565,389) ; P13.5@5363.94,2520 5723.94,2520 P12.5@5728.94,2525 ; C18.2@1180,925 1180,975 1220,1015 1295,1015 1355,1075 ; 2991,45 3146,45
  Bottom Layer w60: v1(951,256) 1282.77,256 1366.77,340 v4(2645,340) v4(2872,340) v4(4090,340) 4825,340 v1(4950,465) ; 975,680 995,700 v1(1355,700) ; P13.5@5363.94,2520 5531,2520 5567,2484 5567,2277 5565,2275 v1(5565,389)
  other v1: 955,680 920,2360 1355,2365 1195,2370 1930,2370 1515,2375 1820,2430 1360,2440 920,2455 1045,2460 1195,2465 1975,2475 1510,2505 1350,2555 920,2560 1045,2560 1185,2560 1815,2570 1955,2590 1805,2705 1960,2735
VDD_ELE: C7.1 D1.2 R2.1 U5.3 U5.4 | length 652
  Top Layer w10: R2.1@2270,3010 2330,3010 2374,3054 2374,3169 2520,3315 v2(2520,3335)
  Bottom Layer w10: v1(2500,3515) 2520,3495 v2(2520,3335)
  other v1: 2410,3520 2190,3530 2495,3605 2405,3610 2190,3625 2495,3685
VO+: K1.2 K2.2 U5.1 U5.2
  other v1: 1755,3515 1835,3555 1600,3590 1680,3600 1835,3635 1680,3675 1490,3680 1585,3690 720,3730 1705,3755 1390,3765 1575,3765 1490,3770 1015,3795 1175,3795 710,3800 1630,3845 755,3875 940,3875 1415,3875 1085,3880 1225,3880
pads on no net: P5.5 P5.6 P12.1 P13.1 U3.7 U3.9 U4.5 U4.6 U4.7 U6.2 U6.4 U6.5 U6.6 U6.7 U6.9 U6.10 U6.11 U6.12 U6.13 U6.14 U6.17 U6.19 U6.20 U10.5 U10.7 U10.8 U10.9 U10.55 U10.60 U10.67 U10.77 U10.84 U10.96 U10.97 U10.98

## Polygon pours and split planes (outlines as drawn)
RCS on Bottom Layer "Top Layer-No Net" (solid, remove dead copper, pour order 0): 435,3890 580,3890 630,3890 640,3880 645,3875 1020,3875 1080,3875 1095,3860 1240,3715 1460,3715 1500,3715 1680,3535 1735,3480 1735,3060 1735,3045 1705,3015 1700,3010 1585,3010 1530,3010 1500,3040 1460,3080 1460,3165 1460,3405 1385,3480 1345,3520 1200,3520 445,3520 425,3540 400,3565 400,3720 400,3855 435,3890
GND on Bottom Layer "Top Layer-No Net" (solid, remove dead copper, pour order 12): -200,4120 6030,4120 6065,4155 6140,4080 6140,-115 4710,-115 4575,-250 4425,-100 -240,-100 -240,4155 -230,4165
GND on Top Layer "Top Layer-No Net" (solid, remove dead copper, pour order 10): -765,4260 -469.29,3964.29 6160,3964.29 6160,-65 -305,-65 -305,3964.29

## Keep-outs
Keep-Out Layer:
  lines w10: 29.37,3937.01 5856.14,3937.01 ; 39.37,3937.01 ccw(c39.37,3897.64) 0,3897.64 0,39.37 ccw(c39.37,39.37) 39.37,0 5866.14,0 ccw(c5866.14,39.37) 5905.51,39.37 5905.51,3897.64 ccw(c5860.57,3892.07) 5855,3937.01
Mechanical 1:
  lines w10: 30,3937.01 5856.77,3937.01 ; 40,3937.01 ccw(c40,3897.64) 0.63,3897.64 0.63,39.37 ccw(c40,39.37) 40,0 5866.77,0 ccw(c5866.77,39.37) 5906.14,39.37 5906.14,3897.64 ccw(c5861.2,3892.07) 5855.63,3937.01

## Other copper
Top Layer:
  rectangle net NetC32_2: 5673,51 5854,655
  rectangle net NetC32_2: 5622,444 5834,655
  rectangle net GND: 2195,3210 2265,3430
  rectangle net GND: 2070,1445 2625,1685
  rectangle net GND: 2275,1335 2440,1790
  rectangle net GND: 519.92,2338 660.08,2370
  rectangle net GND: 575,2287 610,2367
  region net VDD12V: 965,2100 995,2130 995,2380 1010,2395 1095,2395 1145,2345 1145,2045 1115,2015 805,2015 795,2025 795,2085 810,2100
  region net RCS: 1465,3290 1710,3290 1730,3270 1730,3040 1705,3015 1520,3015 1465,3070
  region net NetK2_1: 60,3300 905,3300 1155,3550 1330,3550 1400,3480 1400,3220 1310,3130 405,3130 305,3030 30,3030 20,3040 20,3260
  region net NetK1_1: 50,3610 365,3610 875,3610 915,3570 915,3365 880,3330 50,3330 30,3350 30,3590
  region net VO+: 675,3910 1630,3910 1875,3665 1965,3665 1985,3645 1985,3485 1975,3475 1465,3475 1205,3735 890,3735 836.67,3681.67 675,3681.67 675,3701.88 675,3735
  region net VDD_ELE: 2715,3740 2735,3720 2735,3530 2680,3475 1995,3475 1995,3665 2365,3665 2440,3740
  region net NetD1_1: 3065,2350 3120,2405 3120,3665 3050,3735 2750,3735 2750,3420 2700.92,3366.25 2700.92,2985 2580,2837.55 2580,2350
  region net VDD12V: 755,2320 2105,2320 2245,2460 2245,2810 2205,2850 1740,2850 1510,2620 755,2620
  region net NetJ1_4: 110,2760 365,2760 503,2622 638,2622 638,2513 563,2513 365,2315 110,2315 75,2350 75,2725
  region net VDD12V: 643,2499 759.5,2615.5 760,2615 760,2325 755,2320 664,2411 554,2411 540,2425 540,2477 562,2499
Bottom Layer:
  rectangle net RCS: 505,3610 545,3765
  rectangle net RCS: 460,3670 595,3700
  rectangle net RCS: 965,3580 995,3680
  rectangle net RCS: 910,3655 1070,3690
  rectangle net GND: 531,2341 651,2369
  region net NetK2_1: 65,3300 905,3300 1075,3470 1345,3470 1395,3420 1395,3225 1305,3135 385,3135 285,3035 35,3035 25,3045 25,3260
  region net NetK1_1: 250,3610 365,3495 890,3495 910,3475 910,3360 880,3330 45,3330 20,3355 20,3585 45,3610
  region net VO+: 675,3910 1630,3910 1875,3665 1965,3665 1985,3645 1985,3485 1975,3475 1700,3475 1210,3735 890,3735 856.88,3701.88 675,3701.88 675,3735
  region net NetJ1_4: 110,2760 365,2760 503,2622 638,2622 638,2511 561,2511 365,2315 110,2315 75,2350 75,2725

## Silkscreen, mask and mechanical layers (free items; w line width, h text height)
Top Overlay:
  circle w19.68: c137.8,137.8 r98.43
  circle w19.68: c137.8,3799.21 r98.43
  circle w19.68: c5767.72,3799.21 r98.43
  circle w19.68: c5767.72,137.8 r98.43
  text "uart3" at 3120,3765 h80
  text "uart1" at 4530,3710 h80
  text "电解" at 290,3680 h80
  text "+" at 390,3520 h80
  text "+" at 390,3380 h80
  text "-" at 405,3235 h80 r90
  text "-" at 400,3125 h80 r90
  text "+" at 420,2660 h80
  text "+" at 415,2525 h80
  text "12V" at 5136,2514 h50
  text "GND" at 5130,2412 h50
  text "+" at 425,2370 h80
  text "B" at 5169,2304 h50
  text "-" at 460,2225 h80 r90
  text "A" at 5164,2203 h50
  text "-" at 455,2080 h80 r90
  text "AOPWMG_V1.1 20210919" at 1940,2005 h80
  text "-" at 455,1940 h80 r90
  text "B" at 5505,1620 h50
  text "A" at 5505,1516.86 h50
  text "B" at 5505,1413.71 h50
  text "A" at 5505,1310.57 h50
  text "B" at 5505,1207.43 h50
  text "A" at 5505,1104.29 h50
  text "B" at 5505,1001.14 h50
  text "A" at 5505,898 h50
  text "高压开关" at 2395,314.66 h50
  text "阀1" at 2659,315 h50
  text "阀2" at 2855,315 h50
  text "阀3" at 3066,315 h50
  text "阀4" at 3261,315 h50
  text "阀5" at 3481,315 h50
  text "流量计" at 1623,308 h50
  text "泵3" at 5107,273 h50
  text "泵2" at 4598,268 h50
  text "泵1" at 4115,259 h50
  text "水位开关" at 315,229 h50
  text "原水TDS" at 1417,227 h50 r270
  text "进水TDS" at 1030,211 h50 r270
Bottom Solder:
  region: 250,3610 365,3495 890,3495 890,3365 870,3345 30,3345 30,3595 45,3610
  region: 50,3275 920,3275 1170,3525 1330,3525 1380,3475 1380,3240 1280,3140 385,3140 285,3040 30,3040 30,3255
  region: 675,3910 1630,3910 1875,3665 1965,3665 1985,3645 1985,3485 1975,3475 1700,3475 1172.31,3755 880,3755 826.88,3701.88 675,3701.88 675,3735
  region: 1020,2340 2085,2340 2220,2475 2220,2805 2195,2830 1805,2830 1565,2590 1020,2590

## Text inside footprints (layer, text, board x,y; h text height)
C1: Top Overlay "+" at 1118,2042 h60 r180
C2: Top Overlay "+" at 802.29,1523.38 h40 r90
C7: Top Overlay "+" at 2338,3653 h60 r270
C11: Top Overlay "+" at 1513,2598 h60 r270
K1: Top Overlay "COM" at 545,3490 h31.5 r90
K2: Top Overlay "COM" at 1000,3485 h31.5 r90
P16: Top Overlay "24" at 95,1795 h50 r90; Top Overlay "23" at 195,1795 h50 r90; Top Overlay "2" at 95,535 h50 r90; Top Overlay "1" at 195,535 h50 r90
U6: Top Overlay "ESP8266" at 5065,3270 h40